# KiCad board cpu2.kicad_pcb
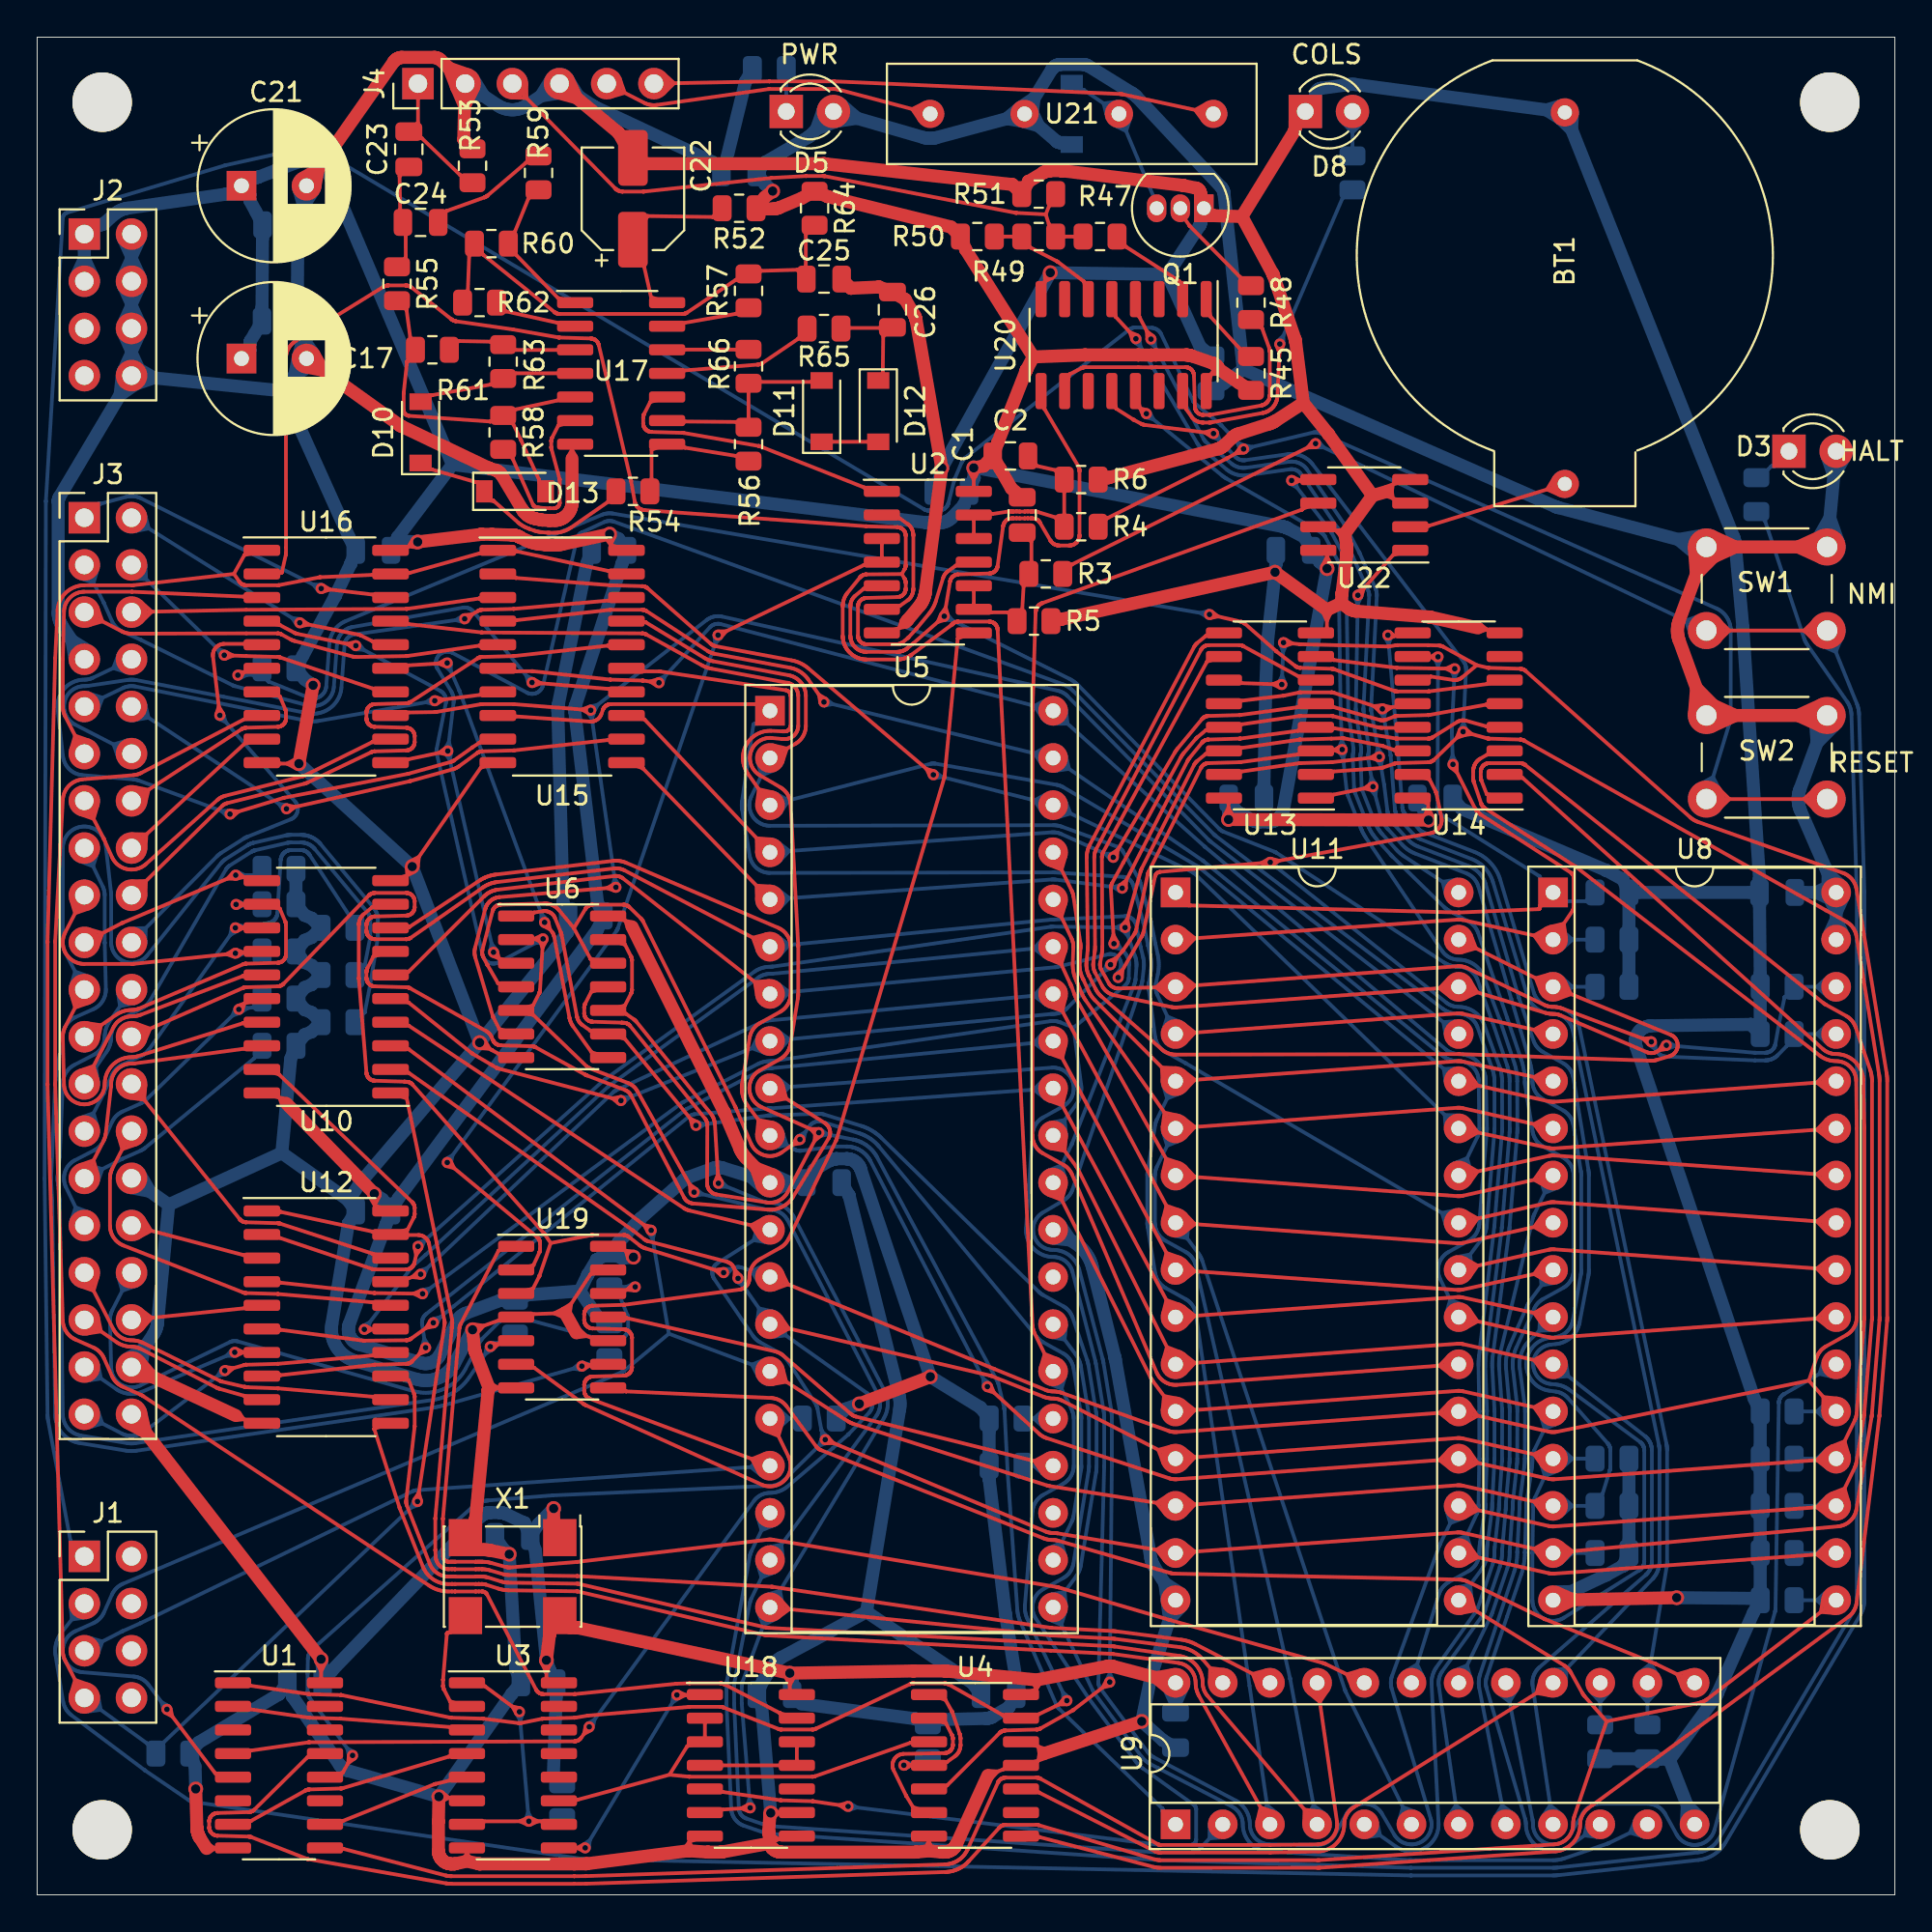
[diagram p0: board, top side]
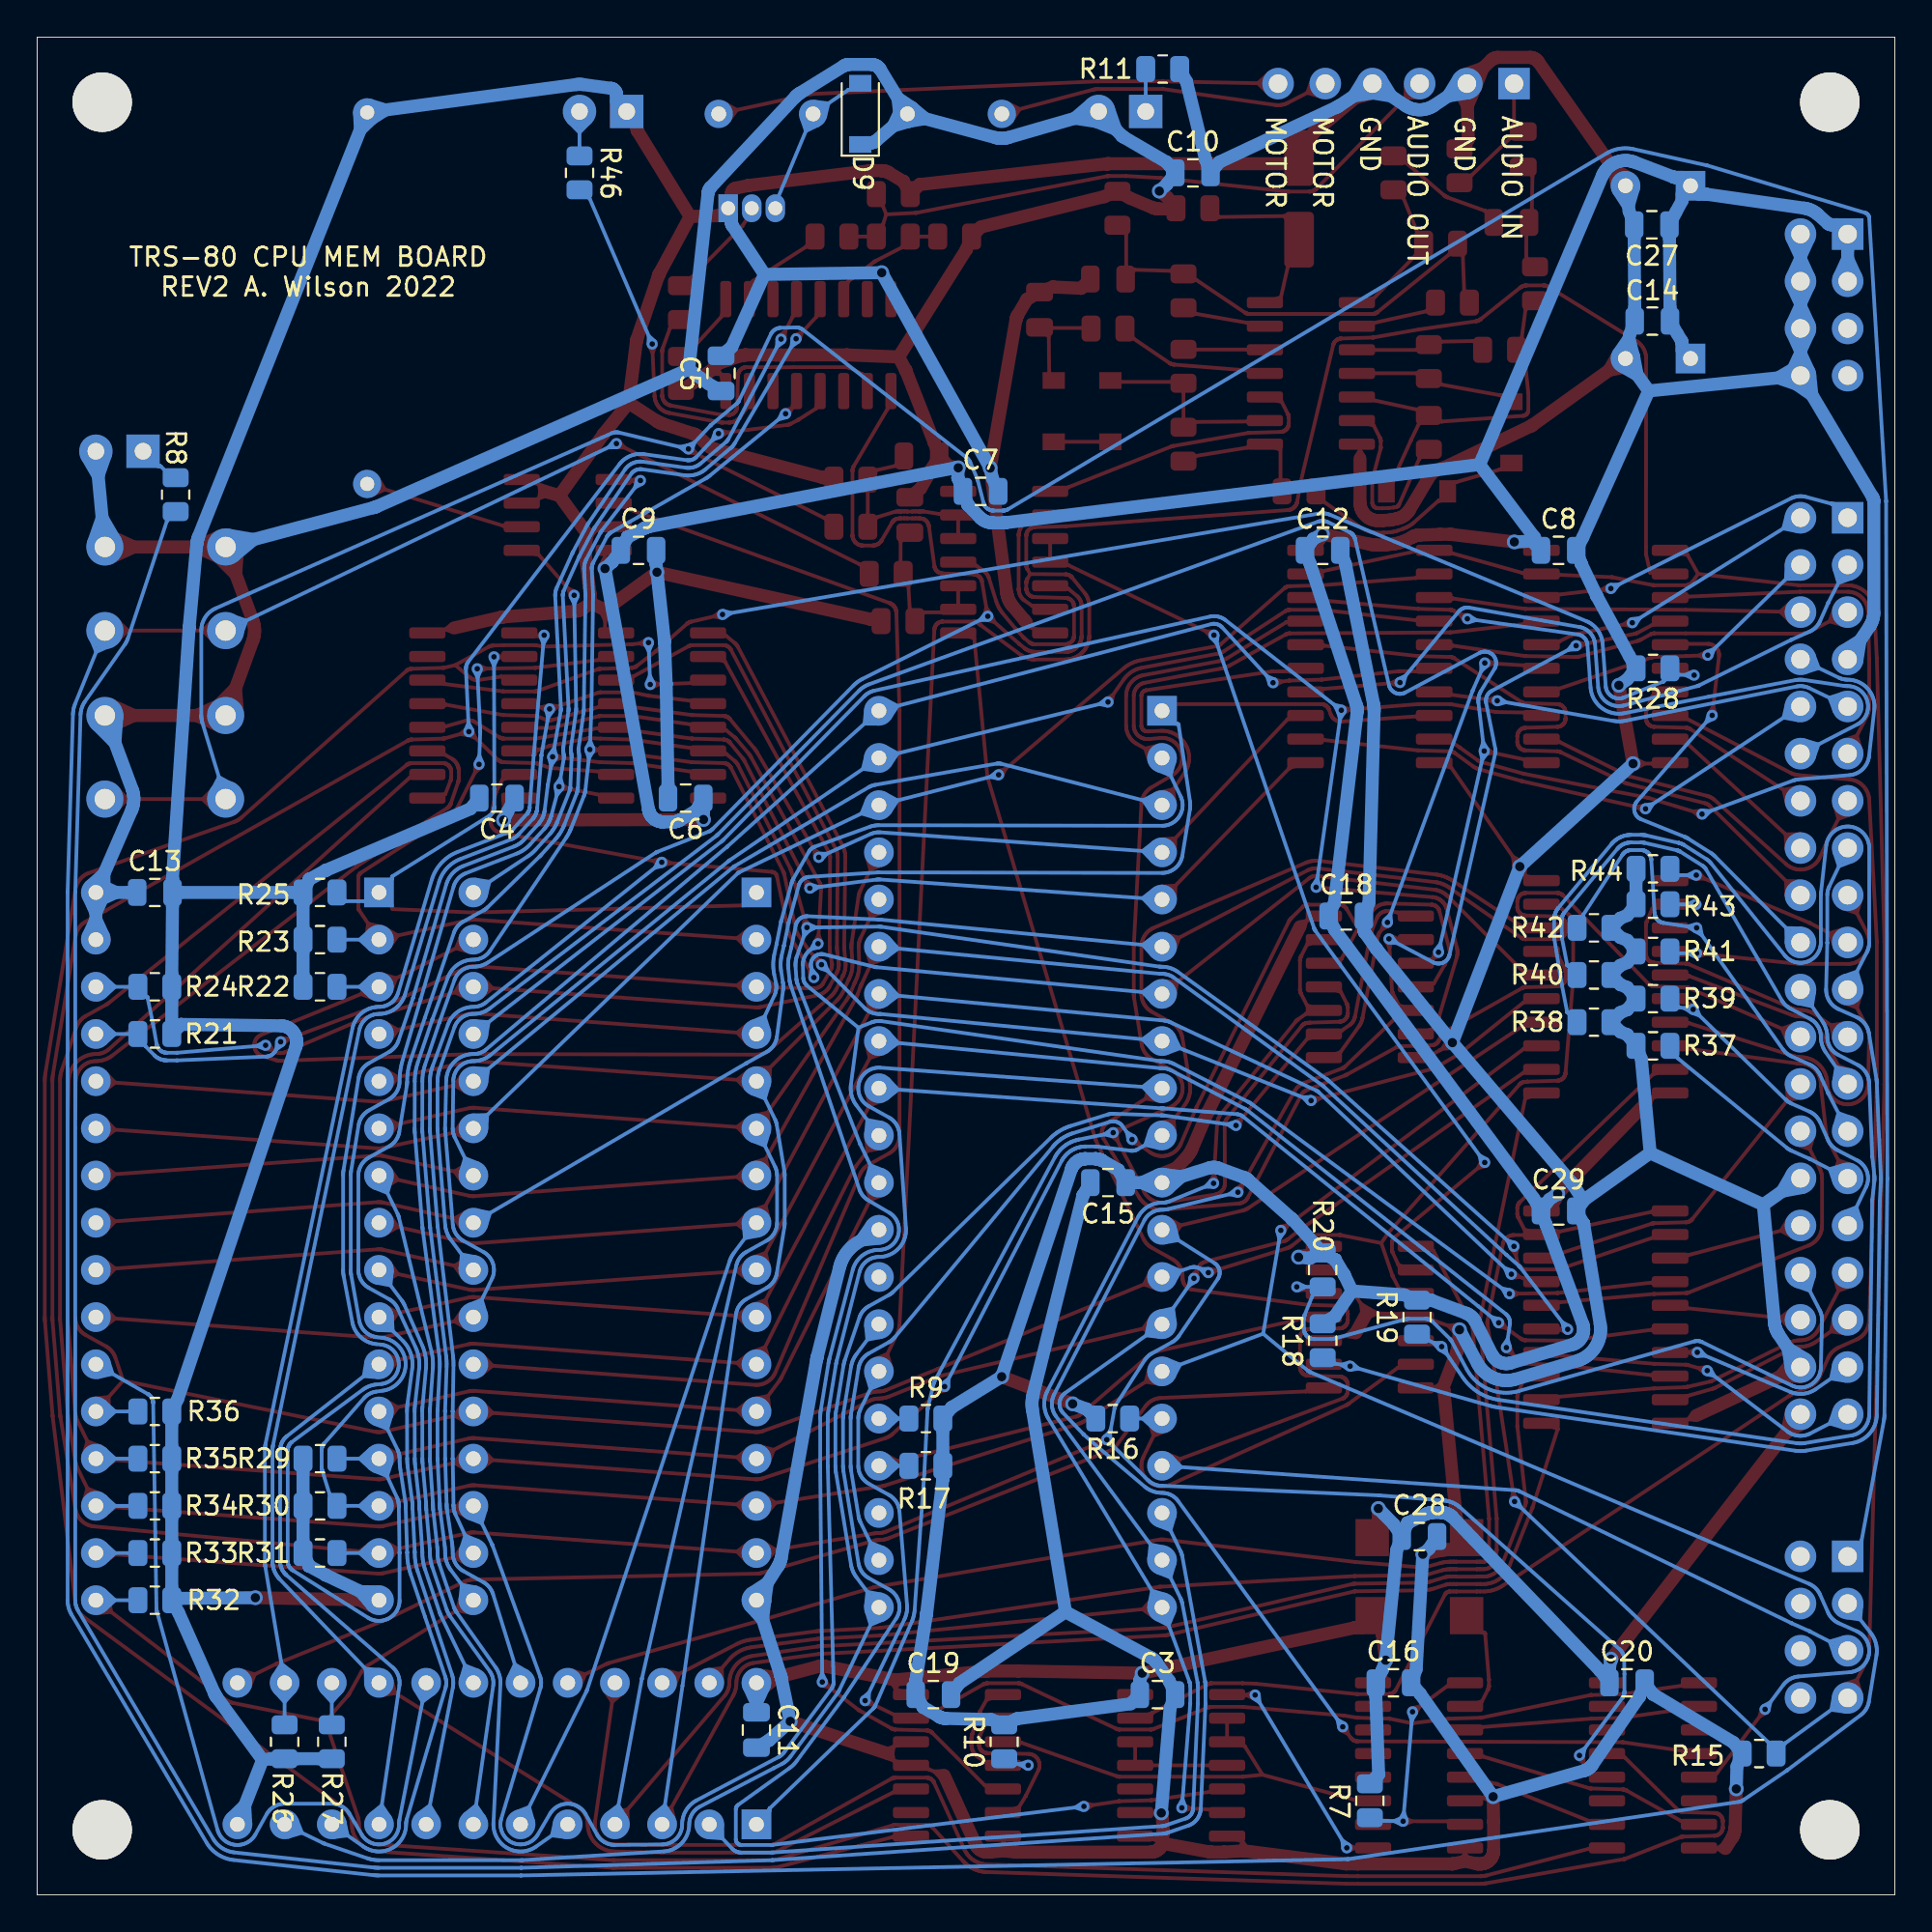
[diagram p1: board, bottom side, seen from below]

Outline 100 x 100 mm; copper layers: Top, Bottom. Coordinates in mm from the lower left corner of the outline.
Outline path: 0,100 100,100 100,0 0,0 0,100

## Placement (name value [footprint] x y rotation side)
BT1  Battery_Cell  [BS-01-A4CJ004]  82.23 88.25 270 top
C1  4u7  [C_0805_2012Metric]  53.03 74.28 270 top
C2  2u2  [C_0805_2012Metric]  52.39 77.45 0 top
C3  100n  [C_0805_2012Metric]  39.69 10.78 180 bottom
C4  100n  [C_0805_2012Metric]  75.25 59.04 0 bottom
C5  100n  [C_0805_2012Metric]  63.19 81.9 90 bottom
C6  100n  [C_0805_2012Metric]  65.09 59.04 0 bottom
C7  100n  [C_0805_2012Metric]  49.22 75.55 180 bottom
C8  100n  [C_0805_2012Metric]  18.1 72.38 180 bottom
C9  100n  [C_0805_2012Metric]  67.63 72.38 180 bottom
C10  100n  [C_0805_2012Metric]  37.78 92.69 180 bottom
C11  100n  [C_0805_2012Metric]  61.28 8.88 270 bottom
C12  100n  [C_0805_2012Metric]  30.8 72.38 180 bottom
C13  100n  [C_0805_2012Metric]  93.67 53.96 180 bottom
C14  100n  [C_0805_2012Metric]  13.05 84.71 0 bottom
C15  100n  [C_0805_2012Metric]  42.36 38.34 0 bottom
C16  100n  [C_0805_2012Metric]  26.99 11.42 180 bottom
C17  470uF  [CP_Radial_D8.0mm_P3.50mm]  11 82.7 0 top
C18  100n  [C_0805_2012Metric]  29.53 52.69 180 bottom
C19  100n  [C_0805_2012Metric]  51.75 10.78 180 bottom
C20  100n  [C_0805_2012Metric]  14.42 11.42 180 bottom
C21  470uF  [CP_Radial_D8.0mm_P3.50mm]  11 92 0 top
C22  100uF  [CP_Elec_5x5.4]  32.07 91.3 90 top
C23  220pF  [C_0805_2012Metric]  20.01 93.97 90 top
C24  220pF  [C_0805_2012Metric]  20.64 90.03 0 top
C25  10uF  [C_0805_2012Metric]  42.36 86.98 0 top
C26  10uF  [C_0805_2012Metric]  46.04 85.33 90 top
C27  100n  [C_0805_2012Metric]  13.08 89.9 0 bottom
C28  100n  [C_0805_2012Metric]  25.59 19.29 180 bottom
C29  100n  [C_0805_2012Metric]  18.1 36.81 180 bottom
D3  HALT  [LED_D3.0mm_FlatTop]  94.3 77.71 0 top
D5  PWR  [LED_D3.0mm_FlatTop]  40.33 96 0 top
D8  COLS  [LED_D3.0mm_FlatTop]  68.27 96 0 top
D9  1N4148  [D_SOD-123]  55.69 95.87 90 bottom
D10  1N4148  [D_SOD-123]  20.64 78.72 90 top
D11  1N4148  [D_SOD-123]  42.23 79.87 90 top
D12  1N4148  [D_SOD-123]  45.28 79.87 270 top
D13  1N4148  [D_SOD-123]  25.72 75.55 0 top
J1  Conn_02x04_Odd_Even  [PinHeader_2x04_P2.54mm_Vertical]  2.54 18.22 0 top
J2  Conn_02x04_Odd_Even  [PinHeader_2x04_P2.54mm_Vertical]  2.54 89.4 0 top
J3  TRS80W-header  [PinHeader_2x20_P2.54mm_Vertical]  2.54 74.13 0 top
J4  Conn_01x06_Male  [PinHeader_1x06_P2.54mm_Vertical]  20.5 97.5 90 top
M1  3mm-mounting-hole  [MountingHole_3.2mm_M3_DIN965]  96.5 96.5 0 top
M2  3mm-mounting-hole  [MountingHole_3.2mm_M3_DIN965]  96.5 3.5 0 top
M3  3mm-mounting-hole  [MountingHole_3.2mm_M3_DIN965]  3.5 96.5 0 top
M4  3mm-mounting-hole  [MountingHole_3.2mm_M3_DIN965]  3.5 3.5 0 top
Q1  2N3904  [TO-92_Inline]  62.8 90.79 180 top
R3  10  [R_0805_2012Metric]  54.3 71.1 0 top
R4  10  [R_0805_2012Metric]  56.2 73.65 0 top
R5  4k7  [R_0805_2012Metric]  53.66 68.56 0 top
R6  4k7  [R_0805_2012Metric]  56.2 76.19 0 top
R7  4k7  [R_0805_2012Metric]  28.26 5.06 90 bottom
R8  1K  [R_0805_2012Metric]  92.55 75.37 90 bottom
R9  4k7  [R_0805_2012Metric]  52.16 25.64 180 bottom
R10  4k7  [R_0805_2012Metric]  47.94 8.24 90 bottom
R11  1K  [R_0805_2012Metric]  39.41 98.28 0 bottom
R15  4k7  [R_0805_2012Metric]  7.3 7.61 180 bottom
R16  4k7  [R_0805_2012Metric]  42.1 25.64 0 bottom
R17  4k7  [R_0805_2012Metric]  52.16 23.1 180 bottom
R18  4k7  [R_0805_2012Metric]  30.8 29.83 90 bottom
R19  4k7  [R_0805_2012Metric]  25.72 31.1 90 bottom
R20  4k7  [R_0805_2012Metric]  30.8 33.64 90 bottom
R21  4k7  [R_0805_2012Metric]  93.67 46.34 180 bottom
R22  4k7  [R_0805_2012Metric]  84.78 48.88 0 bottom
R23  4k7  [R_0805_2012Metric]  84.78 51.42 0 bottom
R24  4k7  [R_0805_2012Metric]  93.67 48.88 180 bottom
R25  4k7  [R_0805_2012Metric]  84.78 53.96 0 bottom
R26  4k7  [R_0805_2012Metric]  86.68 8.24 270 bottom
R27  4k7  [R_0805_2012Metric]  84.14 8.24 270 bottom
R28  4k7  [R_0805_2012Metric]  13.02 66.03 0 bottom
R29  4k7  [R_0805_2012Metric]  84.78 23.48 0 bottom
R30  4k7  [R_0805_2012Metric]  84.78 20.94 0 bottom
R31  4k7  [R_0805_2012Metric]  84.78 18.4 0 bottom
R32  4k7  [R_0805_2012Metric]  93.67 15.86 180 bottom
R33  4k7  [R_0805_2012Metric]  93.67 18.4 180 bottom
R34  4k7  [R_0805_2012Metric]  93.67 20.94 180 bottom
R35  4k7  [R_0805_2012Metric]  93.67 23.48 180 bottom
R36  4k7  [R_0805_2012Metric]  93.67 26.02 180 bottom
R37  4k7  [R_0805_2012Metric]  13.02 45.7 0 bottom
R38  4k7  [R_0805_2012Metric]  16.2 46.97 180 bottom
R39  4k7  [R_0805_2012Metric]  13.02 48.25 0 bottom
R40  4k7  [R_0805_2012Metric]  16.2 49.52 180 bottom
R41  4k7  [R_0805_2012Metric]  13.02 50.78 0 bottom
R42  4k7  [R_0805_2012Metric]  16.2 52.06 180 bottom
R43  4k7  [R_0805_2012Metric]  13.02 53.33 0 bottom
R44  4k7  [R_0805_2012Metric]  13.02 55.23 0 bottom
R45  4k7  [R_0805_2012Metric]  65.34 81.9 270 top
R46  1K  [R_0805_2012Metric]  70.81 92.69 270 bottom
R47  7k5  [R_0805_2012Metric]  57.22 89.27 180 top
R48  1K  [R_0805_2012Metric]  65.34 85.71 270 top
R49  7k5  [R_0805_2012Metric]  53.91 89.27 180 top
R50  220K  [R_0805_2012Metric]  50.61 89.27 0 top
R51  1.2K  [R_0805_2012Metric]  53.91 91.55 0 top
R52  10  [R_0805_2012Metric]  37.78 90.79 180 top
R53  100  [R_0805_2012Metric]  23.43 93.08 90 top
R54  470K  [R_0805_2012Metric]  32.07 75.55 0 top
R55  360K  [R_0805_2012Metric]  19.37 86.73 270 top
R56  1M  [R_0805_2012Metric]  38.29 78.09 90 top
R57  1M  [R_0805_2012Metric]  38.29 86.34 270 top
R58  560K  [R_0805_2012Metric]  25.09 78.72 270 top
R59  360K  [R_0805_2012Metric]  26.99 92.69 90 top
R60  1.8M  [R_0805_2012Metric]  24.45 88.89 0 top
R61  470K  [R_0805_2012Metric]  21.27 83.17 0 top
R62  680K  [R_0805_2012Metric]  23.81 85.71 180 top
R63  470K  [R_0805_2012Metric]  25.09 82.53 270 top
R64  10K  [R_0805_2012Metric]  41.85 90.79 270 top
R65  470K  [R_0805_2012Metric]  42.36 84.31 0 top
R66  470K  [R_0805_2012Metric]  38.29 82.28 270 top
SW1  NMI  [SW_PUSH_6mm]  89.86 72.56 0 top
SW2  RESET  [SW_PUSH_6mm]  89.86 63.48 0 top
U1  74LS175  [SOIC-16_3.9x9.9mm_P1.27mm]  13.02 6.97 0 top
U2  74LS132  [SOIC-14_3.9x8.7mm_P1.27mm]  47.94 71.74 0 top
U3  74LS163  [SOIC-16_3.9x9.9mm_P1.27mm]  25.61 6.97 0 top
U4  74LS74  [SOIC-14_3.9x8.7mm_P1.27mm]  50.48 6.97 0 top
U5  Z80CPU  [DIP-40_W15.24mm_Socket]  39.45 63.74 0 top
U6  74LS32  [SOIC-14_3.9x8.7mm_P1.27mm]  28.26 48.88 0 top
U8  SST39SF040  [DIP-32_W15.24mm_Socket]  81.6 53.96 0 top
U9  ATF22V10C  [DIP-24_W7.62mm_Socket]  61.28 3.8 90 top
U10  74HC245  [SO-20_5.3x12.6mm_P1.27mm]  15.56 48.88 180 top
U11  AS6C4008  [DIP-32_W15.24mm_Socket]  61.28 53.96 0 top
U12  74HC244  [SO-20_5.3x12.6mm_P1.27mm]  15.56 31.1 0 top
U13  74HC670  [SOIC-16_3.9x9.9mm_P1.27mm]  66.36 63.48 180 top
U14  74HC670  [SOIC-16_3.9x9.9mm_P1.27mm]  76.52 63.48 180 top
U15  74HC244  [SO-20_5.3x12.6mm_P1.27mm]  28.26 66.66 0 top
U16  74HC244  [SO-20_5.3x12.6mm_P1.27mm]  15.56 66.66 0 top
U17  LM3900D  [SOIC-14_3.9x8.7mm_P1.27mm]  31.44 81.9 0 top
U18  74HCT02  [SOIC-14_3.9x8.7mm_P1.27mm]  38.42 6.97 0 top
U19  74LS125  [SOIC-14_3.9x8.7mm_P1.27mm]  28.26 31.1 0 top
U20  74LS175  [SOIC-16_3.9x9.9mm_P1.27mm]  58.49 83.42 270 top
U21  -  [SIP-1A05]  55.69 95.87 180 top
U22  DS1210  [SOIC-8_3.9x4.9mm_P1.27mm]  71.44 74.28 180 top
X1  SG-7050CAN  [Oscillator_SMD_SeikoEpson_SG8002CA-4Pin_7.0x5.0mm]  25.59 17.13 180 top

## Footprints (pads in the part's own frame, mm; a bottom-side part is the same pattern mirrored in y, then rotated)
BS-01-A4CJ004
  round 1.524 hole 0.762: 1(12.3,0) 2(-7.7,0)
C_0805_2012Metric
  rrect 1x1.45 smd: 1(-0.95,0) 2(0.95,0)
CP_Elec_5x5.4
  rrect 3x1.6 smd: 1(-2.2,0) 2(2.2,0)
CP_Radial_D8.0mm_P3.50mm
  rect 1.6x1.6 hole 0.8: 1(0,0)
  round 1.6 hole 0.8: 2(3.5,0)
D_SOD-123
  rect 0.9x1.2 smd: 1(-1.65,0) 2(1.65,0)
DIP-24_W7.62mm_Socket
  rect 1.6x1.6 hole 0.8: 1(0,0)
  oval 1.6x1.6 hole 0.8: 2(0,-2.54) 3(0,-5.08) 4(0,-7.62) 5(0,-10.16) 6(0,-12.7) 7(0,-15.24) 8(0,-17.78) 9(0,-20.32) 10(0,-22.86) 11(0,-25.4) 12(0,-27.94) 13(7.62,-27.94) 14(7.62,-25.4) 15(7.62,-22.86) 16(7.62,-20.32) 17(7.62,-17.78) 18(7.62,-15.24) 19(7.62,-12.7) 20(7.62,-10.16) 21(7.62,-7.62) 22(7.62,-5.08) 23(7.62,-2.54) 24(7.62,0)
DIP-32_W15.24mm_Socket
  rect 1.6x1.6 hole 0.8: 1(0,0)
  oval 1.6x1.6 hole 0.8: 2(0,-2.54) 3(0,-5.08) 4(0,-7.62) 5(0,-10.16) 6(0,-12.7) 7(0,-15.24) 8(0,-17.78) 9(0,-20.32) 10(0,-22.86) 11(0,-25.4) 12(0,-27.94) 13(0,-30.48) 14(0,-33.02) 15(0,-35.56) 16(0,-38.1) 17(15.24,-38.1) 18(15.24,-35.56) 19(15.24,-33.02) 20(15.24,-30.48) 21(15.24,-27.94) 22(15.24,-25.4) 23(15.24,-22.86) 24(15.24,-20.32) 25(15.24,-17.78) 26(15.24,-15.24) 27(15.24,-12.7) 28(15.24,-10.16) 29(15.24,-7.62) 30(15.24,-5.08) 31(15.24,-2.54) 32(15.24,0)
DIP-40_W15.24mm_Socket
  rect 1.6x1.6 hole 0.8: 1(0,0)
  oval 1.6x1.6 hole 0.8: 2(0,-2.54) 3(0,-5.08) 4(0,-7.62) 5(0,-10.16) 6(0,-12.7) 7(0,-15.24) 8(0,-17.78) 9(0,-20.32) 10(0,-22.86) 11(0,-25.4) 12(0,-27.94) 13(0,-30.48) 14(0,-33.02) 15(0,-35.56) 16(0,-38.1) 17(0,-40.64) 18(0,-43.18) 19(0,-45.72) 20(0,-48.26) 21(15.24,-48.26) 22(15.24,-45.72) 23(15.24,-43.18) 24(15.24,-40.64) 25(15.24,-38.1) 26(15.24,-35.56) 27(15.24,-33.02) 28(15.24,-30.48) 29(15.24,-27.94) 30(15.24,-25.4) 31(15.24,-22.86) 32(15.24,-20.32) 33(15.24,-17.78) 34(15.24,-15.24) 35(15.24,-12.7) 36(15.24,-10.16) 37(15.24,-7.62) 38(15.24,-5.08) 39(15.24,-2.54) 40(15.24,0)
LED_D3.0mm_FlatTop
  rect 1.8x1.8 hole 0.9: 1(0,0)
  round 1.8 hole 0.9: 2(2.54,0)
MountingHole_3.2mm_M3_DIN965
  round 3.2 hole 3.2 unplated: (0,0)
Oscillator_SMD_SeikoEpson_SG8002CA-4Pin_7.0x5.0mm
  rect 1.8x2 smd: 1(-2.54,-2.1) 2(2.54,-2.1) 3(2.54,2.1) 4(-2.54,2.1)
PinHeader_1x06_P2.54mm_Vertical
  rect 1.7x1.7 hole 1: 1(0,0)
  oval 1.7x1.7 hole 1: 2(0,-2.54) 3(0,-5.08) 4(0,-7.62) 5(0,-10.16) 6(0,-12.7)
PinHeader_2x04_P2.54mm_Vertical
  rect 1.7x1.7 hole 1: 1(0,0)
  oval 1.7x1.7 hole 1: 2(2.54,0) 3(0,-2.54) 4(2.54,-2.54) 5(0,-5.08) 6(2.54,-5.08) 7(0,-7.62) 8(2.54,-7.62)
PinHeader_2x20_P2.54mm_Vertical
  rect 1.7x1.7 hole 1: 1(0,0)
  oval 1.7x1.7 hole 1: 2(2.54,0) 3(0,-2.54) 4(2.54,-2.54) 5(0,-5.08) 6(2.54,-5.08) 7(0,-7.62) 8(2.54,-7.62) 9(0,-10.16) 10(2.54,-10.16) 11(0,-12.7) 12(2.54,-12.7) 13(0,-15.24) 14(2.54,-15.24) 15(0,-17.78) 16(2.54,-17.78) 17(0,-20.32) 18(2.54,-20.32) 19(0,-22.86) 20(2.54,-22.86) 21(0,-25.4) 22(2.54,-25.4) 23(0,-27.94) 24(2.54,-27.94) 25(0,-30.48) 26(2.54,-30.48) 27(0,-33.02) 28(2.54,-33.02) 29(0,-35.56) 30(2.54,-35.56) 31(0,-38.1) 32(2.54,-38.1) 33(0,-40.64) 34(2.54,-40.64) 35(0,-43.18) 36(2.54,-43.18) 37(0,-45.72) 38(2.54,-45.72) 39(0,-48.26) 40(2.54,-48.26)
R_0805_2012Metric
  rrect 1.025x1.4 smd: 1(-0.912,0) 2(0.912,0)
SIP-1A05
  round 1.524 hole 0.8: 1(-7.62,0) 2(-2.54,0) 3(2.54,0) 4(7.62,0)
SO-20_5.3x12.6mm_P1.27mm
  rrect 1.975x0.6 smd: 1(-3.462,5.715) 2(-3.462,4.445) 3(-3.462,3.175) 4(-3.462,1.905) 5(-3.462,0.635) 6(-3.462,-0.635) 7(-3.462,-1.905) 8(-3.462,-3.175) 9(-3.462,-4.445) 10(-3.462,-5.715) 11(3.462,-5.715) 12(3.462,-4.445) 13(3.462,-3.175) 14(3.462,-1.905) 15(3.462,-0.635) 16(3.462,0.635) 17(3.462,1.905) 18(3.462,3.175) 19(3.462,4.445) 20(3.462,5.715)
SOIC-8_3.9x4.9mm_P1.27mm
  rrect 1.95x0.6 smd: 1(-2.475,1.905) 2(-2.475,0.635) 3(-2.475,-0.635) 4(-2.475,-1.905) 5(2.475,-1.905) 6(2.475,-0.635) 7(2.475,0.635) 8(2.475,1.905)
SOIC-14_3.9x8.7mm_P1.27mm
  rrect 1.95x0.6 smd: 1(-2.475,3.81) 2(-2.475,2.54) 3(-2.475,1.27) 4(-2.475,0) 5(-2.475,-1.27) 6(-2.475,-2.54) 7(-2.475,-3.81) 8(2.475,-3.81) 9(2.475,-2.54) 10(2.475,-1.27) 11(2.475,0) 12(2.475,1.27) 13(2.475,2.54) 14(2.475,3.81)
SOIC-16_3.9x9.9mm_P1.27mm
  rrect 1.95x0.6 smd: 1(-2.475,4.445) 2(-2.475,3.175) 3(-2.475,1.905) 4(-2.475,0.635) 5(-2.475,-0.635) 6(-2.475,-1.905) 7(-2.475,-3.175) 8(-2.475,-4.445) 9(2.475,-4.445) 10(2.475,-3.175) 11(2.475,-1.905) 12(2.475,-0.635) 13(2.475,0.635) 14(2.475,1.905) 15(2.475,3.175) 16(2.475,4.445)
SW_PUSH_6mm
  round 2 hole 1.1: 1(0,0) 1(6.5,0) 2(0,-4.5) 2(6.5,-4.5)
TO-92_Inline
  rect 1.05x1.5 hole 0.75: 1(0,0)
  oval 1.05x1.5 hole 0.75: 2(1.27,0) 3(2.54,0)

## Nets
+5V: C1.1 C2.1 C3.1 C4.1 C5.1 C6.1 C7.1 C8.1 C9.1 C10.1 C11.1 C12.1 C13.1 C14.1 C15.1 C16.1 C17.1 C18.1 C19.1 C20.1 C21.1 C27.1 C28.1 C29.1 D3.2 D5.2 D9.1 J2.1 J2.3 J3.40 R7.2 R9.2 R10.2 R16.2 R17.2 R18.2 R19.2 R20.2 R45.2 R50.1 R52.1 R64.1 SW1.1 SW2.1 U1.16 U2.14 U3.16 U4.14 U5.11 U6.14 U8.31 U8.32 U9.24 U10.20 U12.20 U13.16 U14.16 U15.20 U16.20 U18.14 U19.14 U20.16 U21.3 U22.8 X1.1 X1.4
GND: BT1.2 C3.2 C4.2 C5.2 C6.2 C7.2 C8.2 C9.2 C10.2 C11.2 C12.2 C13.2 C14.2 C15.2 C16.2 C17.2 C18.2 C19.2 C20.2 C21.2 C22.2 C25.2 C26.2 C27.2 C28.2 C29.2 D8.1 J2.2 J2.4 J2.6 J2.8 J3.7 J3.30 J3.38 J4.2 J4.4 Q1.1 R5.2 R6.2 R11.1 R15.1 R21.2 R22.2 R23.2 R24.2 R25.2 R26.2 R27.2 R28.2 R29.2 R30.2 R31.2 R32.2 R33.2 R34.2 R35.2 R36.2 R37.2 R38.2 R39.2 R40.2 R41.2 R42.2 R43.2 R44.2 R51.1 R53.2 U1.8 U2.7 U3.6 U3.8 U4.7 U4.11 U4.12 U5.29 U6.7 U8.16 U9.12 U10.10 U11.16 U12.10 U13.8 U14.8 U15.10 U16.10 U17.7 U18.7 U18.8 U18.9 U19.4 U19.7 U19.10 U19.13 U20.8 U22.3 U22.4 U22.7 X1.2
A0: U5.30 U8.12 U9.10 U11.12 U12.2 U13.14 U14.14
A1: U5.31 U8.11 U9.9 U11.11 U12.4 U13.13 U14.13
A2: U5.32 U8.10 U9.8 U11.10 U12.6
A3: U5.33 U8.9 U9.7 U11.9 U12.8
A4: U5.34 U8.8 U9.6 U11.8 U12.17
A5: U5.35 U8.7 U9.5 U11.7 U12.15
A6: U5.36 U8.6 U9.4 U11.6 U12.13
A7: U5.37 U8.5 U9.3 U11.5 U12.11
A8: U5.38 U8.27 U11.27 U15.2
A9: U5.39 U8.26 U11.26 U15.4
A10: U5.40 U8.23 U11.23 U15.6
A11: U5.1 U8.25 U11.25 U15.8
A12: U5.2 U8.4 U11.4 U15.17
A13: U5.3 U8.28 U11.28 U15.15
A14: U5.4 U13.5 U14.5 U15.13
A15: U5.5 U13.4 U14.4 U15.11
BB_CE: U11.22 U22.6
BB_VCC: U11.32 U22.1
BUSISO: J1.7 R15.2 U10.19 U12.1 U12.19 U15.1 U15.19 U16.1 U16.19
C1INN: R58.2 U17.6
C1INP: R59.1 R60.2 U17.1
C1OUT: D13.2 R55.2 R58.1 R61.1 U17.5
C2INN: R61.2 R63.1 U17.3
C2INP: R62.1 U17.2
C2OUT: D10.2 R63.2 U17.4
C3INN: R54.2 R56.1 U17.8
C3INP: R57.2 U17.13
C3OUT: D11.2 R56.2 R66.2 U17.9
C4INN: R65.1 U17.11
C4INP: R66.1 U17.12
CASIND: U2.1 U17.10
CASS_SW1: J4.6 U21.1
CASS_SW2: J4.5 U21.4
CASSAIN: C23.2 J4.1 R53.1
CASSAOUT: J4.3 R47.2 R49.1 R51.2
CASSIN: U9.20 U19.1
CASSOUT: U2.5 U9.19 U20.9
CLK: J3.24 U4.5 U5.6
CLKD0: U1.2 U3.3
CLKD1: U1.7 U3.4
CLKD2: U1.10 U3.5
CLKDIV: U1.9 U9.21
D0: R29.1 U1.4 U5.14 U8.13 U10.2 U11.13 U13.15 U20.4
D1: R30.1 U1.5 U5.15 U8.14 U10.3 U11.14 U13.1 U20.5
D2: R31.1 U1.12 U5.12 U8.15 U10.4 U11.15 U13.2 U20.12
D3: R32.1 U1.13 U5.8 U8.17 U10.5 U11.17 U13.3 U20.13
D4: R33.1 U5.7 U8.18 U10.6 U11.18 U14.15
D5: R34.1 U5.9 U8.19 U10.7 U11.19 U14.1
D6: R35.1 U5.10 U8.20 U10.8 U11.20 U14.2
D7: R36.1 U5.13 U8.21 U10.9 U11.21 U14.3 U19.3
F_A0: J3.26 U12.18
F_A1: J3.28 U12.16
F_A2: J3.39 U12.14
F_A3: J3.33 U12.12
F_A4: J3.32 U12.3
F_A5: J3.36 U12.5
F_A6: J3.37 U12.7
F_A7: J3.35 U12.9
F_A8: J3.12 U15.18
F_A9: J3.18 U15.16
F_A10: J3.3 U15.14
F_A11: J3.10 U15.12
F_A12: J3.6 U15.3
F_A13: J3.5 U15.5
F_A14: J3.9 U15.7
F_A15: J3.8 U15.9
F_D0: J3.29 R37.1 U10.18
F_D1: J3.21 R38.1 U10.17
F_D2: J3.31 R39.1 U10.16
F_D3: J3.25 R40.1 U10.15
F_D4: J3.17 R41.1 U10.14
F_D5: J3.27 R42.1 U10.13
F_D6: J3.23 R43.1 U10.12
F_D7: J3.19 R44.1 U10.11
M1: U5.27 U18.5
MEMCHIP: R26.1 U9.14 U14.9
RAM~{ROM}: R27.1 U9.15
S0: R21.1 U8.29 U11.3 U13.10
S1: R22.1 U8.3 U11.31 U13.9
S2: R23.1 U8.2 U11.2 U13.7
S3: R24.1 U8.30 U11.30 U13.6
S4: R25.1 U8.1 U11.1 U14.10
~{BankSel}: U4.10 U9.16 U13.12 U14.12
~{BUSBUF}: U9.22 U10.1
~{EXMEM}: R28.1 U14.6 U16.6
~{F_EXMEM}: J3.4 U16.14
~{F_INTAK}: J3.13 U16.12
~{F_INT}: J3.22 R19.1 U19.5
~{F_INUSE}: J3.15 R18.1 U19.9
~{F_IN}: J3.20 U16.5
~{F_MREQ}: J3.2 U16.16
~{F_OUT}: J3.11 U16.3
~{F_READ}: J3.16 U16.9
~{F_SYSRES}: J3.1 U16.18
~{F_WAIT}: J3.34 R20.1 U19.12
~{F_WRITE}: J3.14 U16.7
~{INTAK}: U16.8 U18.13
~{INT}: R16.1 U5.16 U19.6
~{INUSE}: U9.13 U19.8
~{IN}: U6.8 U16.15
~{IORQ}: U5.20 U6.10 U6.13 U9.23 U18.6
~{MREQ}: U5.19 U6.2 U6.5 U9.2 U16.4
~{OUT}: U6.11 U9.1 U16.17
~{RAM0}: U9.18 U22.5
~{RD}: U5.21 U6.1 U6.9 U9.11
~{READ}: U6.3 U8.24 U11.24 U16.11
~{ROM0}: U8.22 U9.17
~{SYSRES}: U1.1 U2.11 U4.13 U5.26 U16.2
~{WAIT}: R17.1 U5.24 U19.11
~{WRITE}: U6.6 U11.29 U16.13
~{WR}: U5.22 U6.4 U6.12
Net-(BT1-Pad1): BT1.1 U22.2
Net-(C1-Pad2): C1.2 R3.1 R5.1 U2.9 U2.10
Net-(C2-Pad2): C2.2 R4.1 R6.1 U2.12 U2.13
Net-(C22-Pad1): C22.1 R52.2 U17.14
Net-(C23-Pad1): C23.1 C24.1 R55.1
Net-(C24-Pad2): C24.2 R59.2
Net-(C25-Pad1): C25.1 R57.1 R60.1 R62.2 R64.2
Net-(C26-Pad1): C26.1 D12.1 R65.2
Net-(D3-Pad1): D3.1 R8.2
Net-(D5-Pad1): D5.1 R11.2
Net-(D8-Pad2): D8.2 R46.1
Net-(D9-Pad2): D9.2 Q1.3 U21.2
Net-(D10-Pad1): D10.1 D13.1 R54.1
Net-(D11-Pad1): D11.1 D12.2
Net-(J1-Pad1): J1.1 R4.2 SW2.2
Net-(J1-Pad3): J1.3 R3.2 SW1.2
Net-(J1-Pad5): J1.5 U2.8 U5.17
Net-(Q1-Pad2): Q1.2 R48.1
Net-(R7-Pad1): R7.1 U3.1 U3.7 U3.10
Net-(R8-Pad1): R8.1 U5.18
Net-(R9-Pad1): R9.1 U5.25
Net-(R10-Pad1): R10.1 U4.1 U4.4
Net-(R45-Pad1): R45.1 U20.1
Net-(R46-Pad2): R46.2 U20.15
Net-(R47-Pad1): R47.1 U20.2
Net-(R48-Pad2): R48.2 U20.10
Net-(R49-Pad2): R49.2 R50.2 U20.6
Net-(U2-Pad2): U2.2 U2.6
Net-(U3-Pad2): U3.2 X1.3
Net-(U4-Pad2): U4.2 U4.6
Net-(U13-Pad11): U4.8 U13.11 U14.11
Net-(U18-Pad1): U3.9 U18.1
Net-(U18-Pad2): U3.11 U4.3 U18.2 U18.3
Net-(U18-Pad11): U18.4 U18.11 U18.12
Net-(U19-Pad2): U2.3 U2.4 U19.2

Pads without a net: J1 2 4 6 8; J2 5 7; U1 3 6 11 14 15; U3 12 13 14 15; U4 9; U5 23 28; U14 7; U18 10; U20 3 7 11 14

## Via types
v1: diameter 0.8, hole 0.5, Top to Bottom, 29 vias
v2: diameter 0.6, hole 0.3, Top to Bottom, 94 vias
